# Altium PCB PCB SOM AM625.PcbDoc (part 5 of 6) (continued)
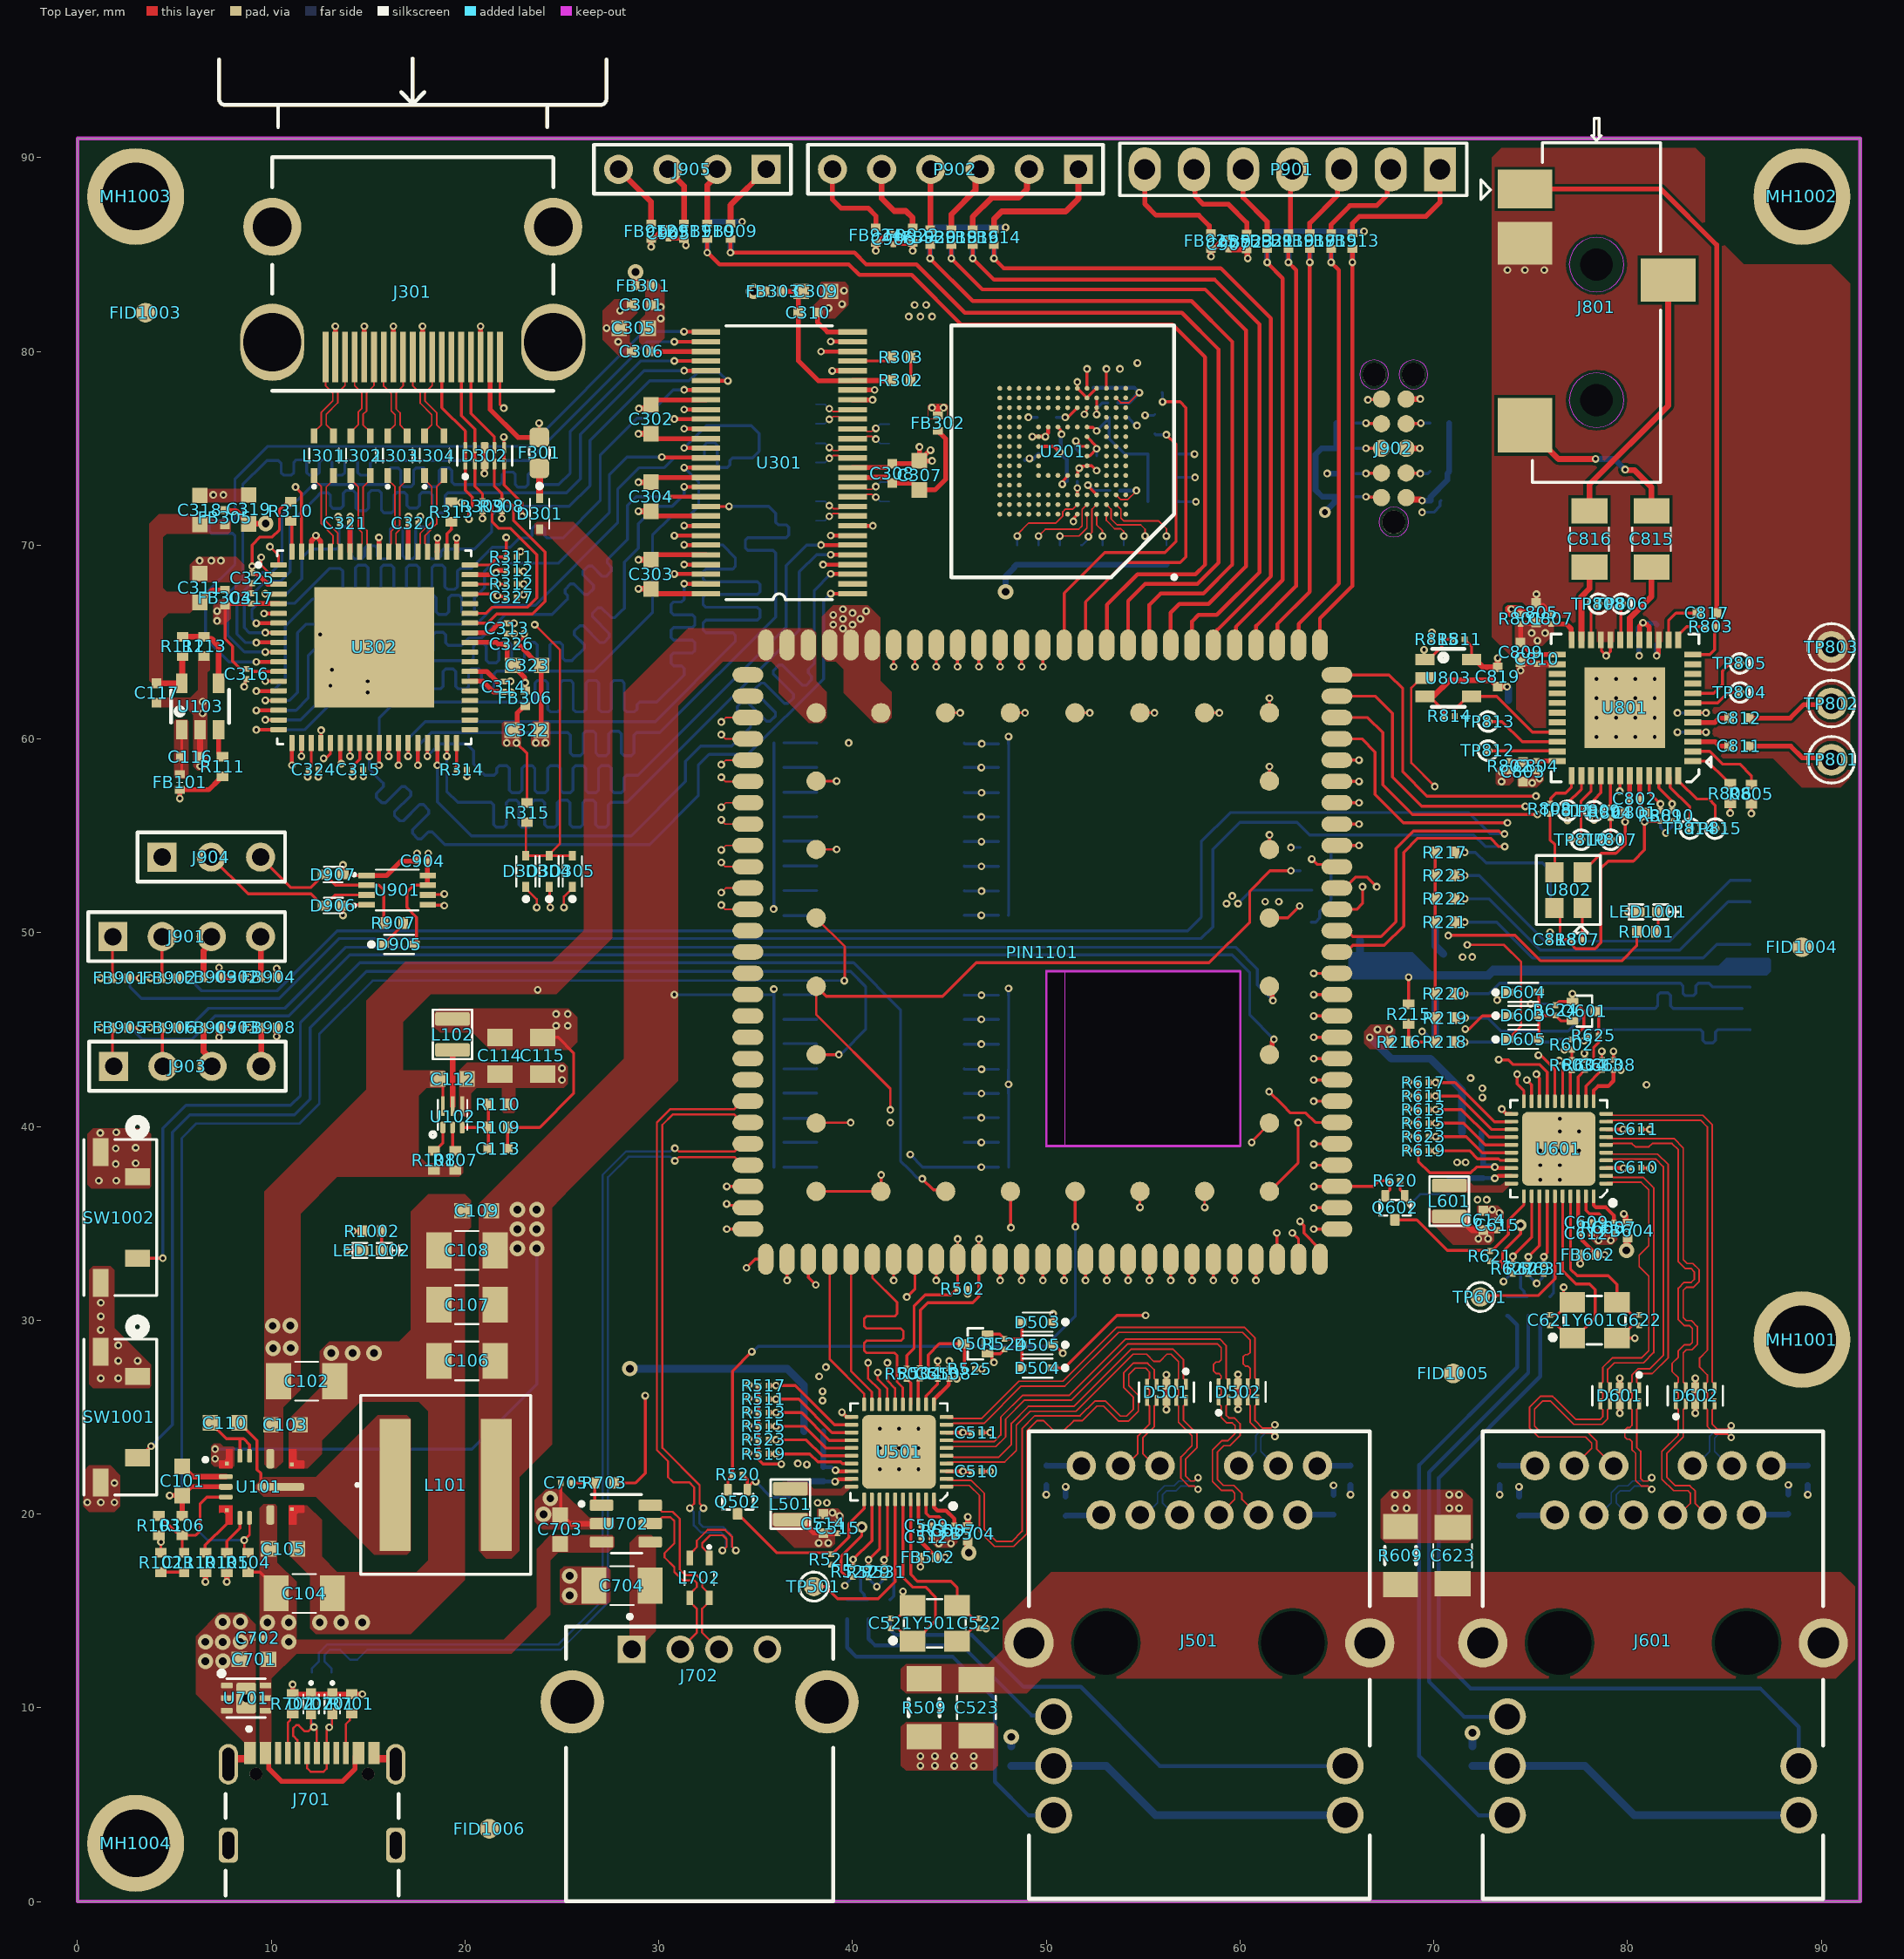
[diagram p0: Top Layer view]
## Nets (pads, with @x,y where several pads share a name; then routed paths per layer and width w, separated by ;. In a path a pad name is that pad's centre, name@x,y a point inside that pad or via, vN(x,y) a via of type N, cw(c..) or ccw(c..) an arc to the next point about the centre after c; other vN are vias at no path point) (continued)
  Top Layer w0.15: R519.2@35.145,23.105 35.145,22.805 35.375,22.575 v1(36.325,22.575) ; R519.2@35.15,23.1 R517.2@35.15,26.625
  Top Layer w0.2: v1(39.124,22.253) 39.178,22.253 39.226,22.205 U501.28@39.695,22.205
  Layer 4 w0.122: v1(36.325,22.575) 36.825,22.075 38.913,22.075 39.091,22.253 v1(39.124,22.253)
  Bottom Layer w0.2: C506.1@38.49,22.425 38.914,22.425 39.086,22.253 v1(39.124,22.253)
  Bottom Layer w0.3: C506.1@38.49,22.425 R501.1@38.49,24.265
PHY2_DVDD3V3: C601.1 C602.1 C620.1 FB601.2 J601.14 J601.16 R621.2 R625.2 R627.2 R629.2 R631.2 U601.29 | length 73.1
  Top Layer w0.15: R621.2@72.9,33.035 73.472,33.035 73.55,33.113 ; v1(73.15,37.325) v1@73.204,37.325 ; v3(74.475,34.9) 74.475,34.45 73.55,33.525 73.55,33.113 ; R631.2@75.68,32.377 75.671,32.386 73.864,32.386 73.55,32.7 73.55,33.113 ; v1(77.75,44.425) 77.75,44.465 R625.2@77.985,44.7
  Top Layer w0.2: v1@73.204,37.325 73.329,37.45 U601.29@74,37.45
  Layer 3 w0.122: v1(73.15,37.325) 73.75,37.325 74.05,37.625 74.05,38.45 75.95,40.35 75.95,41.85 77.35,43.25 78,43.25 78.225,43.475 78.225,43.95 v1(77.75,44.425)
  Layer 3 w0.3: v1(73.15,37.325) 73.169,37.306 73.169,36.679 74.456,35.392 74.456,34.919 v3(74.475,34.9) 74.418,34.843 74.418,34.518 69.9,30 69.9,8.4 71.307,6.993 J601.16@73.8,6.993
  Bottom Layer w0.2: C602.1@72.55,37.34 72.557,37.333 73.142,37.333 v1(73.15,37.325)
  Bottom Layer w0.3: FB601.2@70.825,37.3 70.85,37.275 71.75,37.275 C601.1@71.775,37.25 71.865,37.34 C602.1@72.55,37.34
  Bottom Layer w0.4: C620.1@72,7 72.003,6.997 73.796,6.997 J601.16@73.8,6.993 77.807,6.993 80.347,4.453 J601.14@88.837,4.453
PHY2_VDD1V0: C614.2 C615.1 FB602.2 FB603.1 L601.2 | length 3.3
  Top Layer w0.3: L601.2@70.8,35.35 71.35,35.35 71.55,35.15 71.55,35.078 71.978,34.65 72.45,34.65 C615.1@73.275,34.65 ; v1(77.555,32.92) FB602.2@77.555,33.395
  other v1: 72.3,34.2 72.8,34.2 71.9,42.5
PHY2_VDDIO: C605.1 C606.1 R601.1 R611.2 R613.2 R615.2 R617.2 R619.2 R623.2 U601.28 | length 11.4
  Top Layer w0.15: R617.2@69.205,42.27 69.205,41.575 69.205,40.875 69.205,40.175 69.205,39.475 69.205,38.75 69.205,38.195 69.8,37.6 71.9,37.6 72.208,37.908 v1(73.146,37.908)
  Top Layer w0.2: v1(73.146,37.908) 73.2,37.908 73.258,37.85 U601.28@73.75,37.85
  Bottom Layer w0.2: C606.1@72.545,38.05 72.545,38.045 72.59,38 73,38 73.092,37.908 v1(73.146,37.908)
  Bottom Layer w0.3: R601.1@72.45,39.7 C605.1@72.45,38.725 72.54,38.635 C606.1@72.54,38
PHYRSTB_1: C513.2 Q501.3 R525.1 U501.12 | length 6.5
  Top Layer w0.15: U501.12@43.795,25.655 43.795,26.095 44.388,26.688 44.388,26.968 C513.2@44.395,26.975 44.375,26.995 44.108,26.995 43.9,27.203 43.9,28.2 44.48,28.78 Q501.3@45.725,28.78 45.78,28.725 R525.1@45.78,27.48
PHYRSTB_2: C613.2 Q601.3 R625.1 U601.12 | length 5.3
  Top Layer w0.15: U601.12@77.85,41.3 77.85,42.085 C613.2@78.675,42.91 78.6,42.985 78.512,42.985 78.25,43.247 78.25,44.067 78.508,44.325 78.508,44.693 R625.1@78.515,44.7 Q601.3@78.515,45.945 ; Q601.3@78.39,45.945 Q601.3@78.395,45.95
PMIC_PBn: PIN1101.135 SW1002.2 | length 63.6
  Top Layer w0.15: SW1002.2@3.089,33.2 v1(4.4,33.2) ; v1(43.6,37.3) 44.168,36.732 44.723,36.732 PIN1101.135@44.805,36.65
  Bottom Layer w0.15: v1(4.4,33.2) 4.4,39.9 5.6,41.1 11,41.1 11.5,41.6 11.5,45.375 14.575,48.45 40.05,48.45 42.475,46.025 42.475,38.225 42.914,37.786 43.352,37.348 43.552,37.348 v1(43.6,37.3)
PORz_OUT: D203.2 D304.2 D504.2 D604.2 PIN1101.129 | length 141.9
  Top Layer w0.122: D304.2@24.336,52.37 24.368,52.338 24.368,51.332 v1(24.4,51.3) ; v1(60.6,39.175) 60.6,39.219 61.515,40.135 PIN1101.129@61.515,40.179
  Top Layer w0.15: D504.2@50.345,27.53 50.93,27.53 53.65,30.25 v1(55.125,30.25) ; v1(73.275,46.525) 73.323,46.573 73.397,46.573 73.749,46.925 D604.2@73.825,46.925
  Layer 3 w0.122: v1(41.95,40.2) 43.35,40.2 45.173,38.377 59.802,38.377 v1(60.6,39.175) 62.125,40.7 65.6,40.7 66.2,41.3 66.2,43.275 67.35,44.425 69.725,44.425 71.575,46.275 73.025,46.275 v1(73.275,46.525)
  Layer 4 w0.122: v1(24.4,51.3) 24.4,49.2 32.347,41.253 39.697,41.253 40.75,40.2 v1(41.95,40.2) ; v1(57.65,74.7) 60.5,74.7 66.5,80.7 70.125,80.7 72.1,78.725 72.1,53.85 73.275,52.675 v1(73.275,46.525)
  Layer 4 w0.15: v1(55.125,30.25) 56.05,30.25 57,31.2 57,32.7 57.9,33.6 64.2,33.6 64.7,34.1 64.7,39 64,39.7 61.125,39.7 v1(60.6,39.175)
  Bottom Layer w0.15: D203.2@56.85,74.7 v1(57.65,74.7)
REG_OUT1: L501.1 U501.30
REG_OUT2: L601.1 U601.30
RESETn: C327.1 D303.1 D304.1 D305.1 R315.1 U302.51 | length 21.4
  Top Layer w0.122: R315.1@23.2,55.7 23.136,55.636 D303.1@23.136,53.971 D304.1@24.336,53.971 ; v1(23.6,65.9) 24.9,64.6 24.9,54.611 24.336,54.047 D304.1@24.336,53.971 ; D305.1@25.536,53.971 D304.1@24.336,53.971
  Top Layer w0.15: U302.51@20.245,67.481 21.527,67.481 21.607,67.4 v1(21.675,67.4) ; v1@21.635,67.44 v1(21.675,67.4) ; C327.1@22.135,67.3 22.083,67.352 21.723,67.352 v1(21.675,67.4)
  Layer 3 w0.122: v1(21.675,67.4) 22.1,67.4 v1(23.6,65.9)
RESETSTATz: D201.2 D205.2 D305.2 D505.2 D605.2 PIN1101.112 U803.2 | length 155.1
  Top Layer w0.122: v1(25.1,51.3) 25.1,51.858 25.536,52.294 D305.2@25.536,52.37 ; PIN1101.112@38.121,47.237 38.121,45.779 41.95,41.95 v1(41.95,40.85) ; U803.2@69.55,63.15 69.35,63.15 68.839,62.639 68.839,58.761 v1(70.05,57.55) ; v1(71.725,49.375) 73.625,49.375 74.5,48.5 74.5,45.175 74.018,44.693 74.018,44.617 73.901,44.5 D605.2@73.825,44.5
  Top Layer w0.15: PIN1101.112@38.121,47.237 38.122,47.237 38.634,46.725 44.65,46.725 46.375,48.45 58.4,48.45 60.5,50.55 60.5,52.15 61.55,53.2 v1(62.625,53.2) ; D505.2@50.35,28.725 50.426,28.725 v1(50.85,28.3) v1(50.85,28.3)
  Layer 3 w0.122: v1(70.05,57.55) 70.05,56.3 66.95,53.2 v1(62.625,53.2) 62.625,50.475 63.725,49.375 v1(71.725,49.375)
  Layer 4 w0.122: v1(25.1,51.3) 25.1,49.2 29.248,45.052 36.283,45.052 40.485,40.85 42.85,40.85 43.864,39.836 43.864,37.886 47.05,34.7 47.05,29.575 48.325,28.3 v1(50.85,28.3) ; v1(57.675,73.5) 60.025,73.5 66.7,80.175 69.775,80.175 71.425,78.525 71.425,58.925 v1(70.05,57.55)
  Bottom Layer w0.15: D201.2@56.85,73.5 v1(57.675,73.5) ; v1(62.625,53.2) D205.2@63.1,53.2
RGMII1_TD0: PIN1101.19 U501.18 | length 12.4
  Top Layer w0.122: v1(40.8,27.8) 40.8,27 41.395,26.405 U501.18@41.395,25.655
  Top Layer w0.15: v1(44.321,32.056) PIN1101.19@44.321,33.15
  Layer 4 w0.122: v1(40.8,27.8) 40.8,32.6 41.3,33.1 43.277,33.1 v1(44.321,32.056)
RGMII1_TD1: PIN1101.20 U501.17 | length 12.4
  Top Layer w0.122: v1(41.3,27.3) 41.3,26.953 41.795,26.458 U501.17@41.795,25.655
  Top Layer w0.15: v1(42.8,31.2) 43.221,31.621 PIN1101.20@43.221,33.15
  Layer 4 w0.122: v1(41.3,27.3) 41.3,32.4 41.6,32.7 42.8,32.7 43.1,32.4 43.1,31.575 42.8,31.275 v1(42.8,31.2)
RGMII1_TD2: PIN1101.21 U501.16 | length 12.5
  Top Layer w0.122: v1(41.8,27.8) 41.8,26.885 42.195,26.49 U501.16@42.195,25.655
  Top Layer w0.15: v1(42.121,32.056) PIN1101.21@42.121,33.15
  Layer 4 w0.122: v1(41.8,27.8) 41.8,28.001 41.8,28.692 41.926,28.818 42.998,28.818 43.124,28.944 43.124,29.322 42.998,29.448 41.912,29.448 41.786,29.574 41.786,29.952 41.912,30.078 42.998,30.078 43.124,30.204 43.124,30.582 42.998,30.708 41.926,30.708 41.8,30.834 41.8,31.2 41.8,31.735 v1(42.121,32.056)
RGMII1_TD3: PIN1101.22 U501.15 | length 15
  Top Layer w0.122: PIN1101.22@41.021,33.15 41.021,32.204 42.3,30.925 42.3,30.625 42.3,30.328 42.174,30.202 40.724,30.202 40.598,30.076 40.598,29.698 40.724,29.572 42.492,29.572 42.618,29.446 42.618,29.068 42.492,28.942 40.724,28.942 40.598,28.816 40.598,28.438 40.724,28.312 42.174,28.312 42.3,28.186 42.3,28.125 42.3,26.821 42.595,26.526 U501.15@42.595,25.655
RGMII1_TX_CTL: PIN1101.23 U501.19 | length 7.9
  Top Layer w0.122: PIN1101.23@39.921,33.15 39.921,27.379 40.995,26.305 U501.19@40.995,25.655
RGMII1_TXC: PIN1101.24 U501.20 | length 8.2
  Top Layer w0.122: PIN1101.24@38.821,33.15 38.821,27.979 40.595,26.205 U501.20@40.595,25.655
RGMII2_TD0: PIN1101.5 U601.18 | length 34
  Top Layer w0.15: v1(59.721,32.056) PIN1101.5@59.721,33.15 ; v1(75.3,42.7) 75.3,42.637 75.45,42.487 U601.18@75.45,41.3
  Layer 4 w0.122: v1(59.721,32.056) 59.721,31.354 60.175,30.9 64.425,30.9 67.5,33.975 67.5,42.8 68.575,43.875 72.175,43.875 74.075,45.775 75.375,45.775 75.9,45.25 75.9,43.3 v1(75.3,42.7)
RGMII2_TD1: PIN1101.6 U601.17 | length 34
  Top Layer w0.15: v1(58.621,32.056) PIN1101.6@58.621,33.15 ; v1(73.35,43.45) 73.368,43.432 73.85,43.432 74.082,43.2 75.45,43.2 75.85,42.8 U601.17@75.85,41.3
  Layer 4 w0.122: v1(58.621,32.056) 58.621,31.354 59.55,30.425 65.004,30.425 67.975,33.396 67.975,35.55 67.975,36.297 68.101,36.423 68.493,36.423 68.619,36.549 68.619,36.927 68.493,37.053 68.082,37.053 67.956,37.179 67.956,37.557 68.082,37.683 68.493,37.683 68.619,37.809 68.619,38.187 68.493,38.313 68.101,38.313 67.975,38.439 67.975,38.5 67.975,42.55 68.875,43.45 v1(73.35,43.45)
RGMII2_TD2: PIN1101.7 U601.16 | length 34
  Top Layer w0.15: v1(57.521,32.056) PIN1101.7@57.521,33.15 ; v1(75.4,43.675) 75.448,43.627 75.573,43.627 76.25,42.95 U601.16@76.25,41.3
  Layer 4 w0.122: v1(57.521,32.056) 57.521,31.079 58.6,30 65.725,30 69.325,33.6 69.325,42.325 70,43 73.85,43 74.525,43.675 v1(75.4,43.675)
RGMII2_TD4: PIN1101.8 U601.15 | length 36
  Top Layer w0.15: v1(56.421,32.056) PIN1101.8@56.421,33.15 ; v1(76.475,43.4) 76.475,43.362 76.65,43.187 U601.15@76.65,41.3
  Layer 3 w0.122: v1(56.421,32.056) 57.177,31.3 67.05,31.3 70.675,34.925 70.675,38.645 70.675,39.336 70.801,39.462 71.209,39.462 71.335,39.588 71.335,39.966 71.209,40.092 70.69,40.092 70.564,40.218 70.564,40.596 70.69,40.722 71.209,40.722 71.335,40.848 71.335,41.226 71.209,41.352 70.801,41.352 70.675,41.478 70.675,42.1 70.675,42.625 71.25,43.2 72.425,43.2 73.375,44.15 75.725,44.15 v1(76.475,43.4)
RGMII2_TX_CTL: PIN1101.9 U601.19 | length 30
  Top Layer w0.15: v1(55.321,32.056) PIN1101.9@55.321,33.15 ; v1(74.8,42.4) 75.05,42.15 U601.19@75.05,41.3
  Layer 3 w0.122: v1(55.321,32.056) 56.452,30.925 67.6,30.925 71.175,34.5 71.175,36.975 72.212,38.013 72.212,38.913 73.262,39.963 74.162,39.963 74.8,40.6 v1(74.8,42.4)
RGMII2_TXC: PIN1101.10 U601.20 | length 35.2
  Top Layer w0.15: v1(54.221,32.056) PIN1101.10@54.221,33.15 ; v1(74.3,42.7) 74.3,42.2 74.65,41.85 U601.20@74.65,41.3
  Layer 3 w0.122: v1(54.221,32.056) 55.752,30.525 67.8,30.525 71.65,34.375 71.65,36.725 72.6,37.675 72.6,38.675 73.475,39.55 74.55,39.55 75.325,40.325 75.325,41.775 76,42.45 76,42.825 75.65,43.175 74.775,43.175 v1(74.3,42.7)
RSET1: R505.1 U501.39 | length 2
  Top Layer w0.15: U501.39@43.8,20.75 43.8,20.025 43.975,19.85 44.475,19.85 44.675,19.65 R505.1@44.675,19.39
RSET2: R605.1 U601.39 | length 2
  Top Layer w0.15: U601.39@77.855,36.395 77.855,35.67 78.03,35.495 78.53,35.495 78.73,35.295 R605.1@78.73,35.035
RXC1/PHYAD1: PIN1101.29 R518.2 R519.1 U501.27 | length 28
  Top Layer w0.15: v1(33.5,36) 33.568,36 33.637,35.93 34.476,35.93 PIN1101.29@34.6,35.806 ; R519.1@35.68,23.1 v1(36.05,23.1) 37.793,23.1 38.21,22.683 39.388,22.683 39.466,22.605 U501.27@39.945,22.605
  Layer 4 w0.122: v1(33.5,36) 34.2,36 34.5,36.3 34.5,37.2 34.2,37.5 32.9,37.5 32,36.6 32,32.3 33.9,30.4 33.9,23 34.3,22.6 35.55,22.6 v1(36.05,23.1)
  Bottom Layer w0.15: R518.2@35.68,23.1 v1(36.05,23.1)
RXC2/PHYAD1: PIN1101.15 R618.2 R619.1 U601.27 | length 36.8
  Top Layer w0.15: v1(48.721,32.056) PIN1101.15@48.721,33.15 ; R619.1@69.735,38.745 v1(70.105,38.745) 71.848,38.745 72.26,38.333 73.336,38.333 73.419,38.25 U601.27@74,38.25
  Layer 4 w0.122: v1(48.721,32.056) 48.721,30.154 49.575,29.3 66.25,29.3 70.105,33.155 v1(70.105,38.745)
  Bottom Layer w0.15: R618.2@69.735,38.745 v1(70.105,38.745)
RXCTL1/PHYAD2: PIN1101.30 R522.2 R523.1 U501.26 | length 21.5
  Top Layer w0.15: v1(33.506,36.906) PIN1101.30@34.6,36.906 ; R523.1@35.68,23.825 v1(36.05,23.825) 37.616,23.825 38.441,23 U501.26@39.95,23
  Layer 4 w0.122: v1(33.506,36.906) 32.906,36.906 32.4,36.4 32.4,32.8 35.4,29.8 35.4,24.475 v1(36.05,23.825)
  Bottom Layer w0.15: R522.2@35.68,23.825 v1(36.05,23.825)
RXCTL2/PHYAD2: PIN1101.16 R622.2 R623.1 U601.26 | length 40.3
  Top Layer w0.15: v1(47.621,32.056) PIN1101.16@47.621,33.15 ; R623.1@69.735,39.47 v1(70.105,39.47) 71.671,39.47 72.496,38.645 U601.26@74.005,38.645
  Layer 4 w0.122: v1(47.621,32.056) 47.621,29.704 48.45,28.875 66.725,28.875 70.65,32.8 70.65,38.925 v1(70.105,39.47)
  Bottom Layer w0.15: R622.2@69.735,39.47 v1(70.105,39.47)
RXD10/RXDLY: PIN1101.25 R514.2 R515.1 U501.25 | length 15.7
  Top Layer w0.15: R515.1@35.68,24.525 v1(36.05,24.525) 37.486,24.525 38.611,23.4 U501.25@39.95,23.4 ; PIN1101.25@37.721,33.15 37.721,32.204 v1(38.1,31.825)
  Layer 4 w0.122: v1(36.05,24.525) 37.4,24.525 37.85,24.975 37.85,27.725 38.325,28.2 38.325,31.6 v1(38.1,31.825)
  Bottom Layer w0.15: R514.2@35.68,24.525 v1(36.05,24.525)
RXD11/TXDLY: PIN1101.26 R512.2 R513.1 U501.24 | length 15.7
  Top Layer w0.15: R513.1@35.68,25.225 v1(36.05,25.225) 37.372,25.225 38.797,23.8 U501.24@39.95,23.8 ; v1(36.621,32.056) PIN1101.26@36.621,33.15
  Layer 4 w0.122: v1(36.05,25.225) 36.058,25.233 36.933,25.233 37.375,25.675 37.375,27.975 37.9,28.5 37.9,28.85 37.325,29.425 37.325,29.825 37.85,30.35 37.85,30.7 37.45,31.1 36.925,31.1 36.621,31.404 v1(36.621,32.056)
  Bottom Layer w0.15: R512.2@35.68,25.225 v1(36.05,25.225)
RXD12/PLLOFF: PIN1101.27 R510.2 R511.1 U501.23 | length 15.7
  Top Layer w0.15: v1(34.525,32.7) 34.975,33.15 PIN1101.27@35.521,33.15 ; R511.1@35.68,25.925 v1(36.05,25.925) 37.219,25.925 38.944,24.2 U501.23@39.95,24.2
  Layer 4 w0.122: v1(34.525,32.7) 34.525,32.275 34.812,31.988 35.862,31.988 36.125,31.725 36.125,31.175 36.875,30.425 36.875,29.625 36.425,29.175 36.425,27.875 36.875,27.425 36.875,26.575 36.278,25.978 36.103,25.978 v1(36.05,25.925)
  Bottom Layer w0.15: R510.2@35.68,25.925 v1(36.05,25.925)
RXD13/PHYAD0: PIN1101.28 R516.2 R517.1 U501.22 | length 15.7
  Top Layer w0.15: v1(33.506,34.706) PIN1101.28@34.6,34.706 ; R517.1@35.68,26.625 v1(36.05,26.625) 37.041,26.625 39.066,24.6 U501.22@39.95,24.6
  Layer 4 w0.122: v1(33.506,34.706) 33.506,32.494 36.05,29.95 v1(36.05,26.625)
  Bottom Layer w0.15: R516.2@35.68,26.625 v1(36.05,26.625)
RXD20/RXDLY: PIN1101.11 R614.2 R615.1 U601.25 | length 37.3
  Top Layer w0.15: v1(53.121,32.056) PIN1101.11@53.121,33.15 ; R615.1@69.735,40.17 v1(70.105,40.17) 71.541,40.17 72.666,39.045 U601.25@74.005,39.045
  Layer 3 w0.122: v1(53.121,32.056) 53.74,32.675 61.65,32.675 62.341,32.675 62.467,32.549 62.467,32.026 62.593,31.9 62.971,31.9 63.097,32.026 63.097,32.553 63.223,32.679 63.601,32.679 63.727,32.553 63.727,32.026 63.853,31.9 64.231,31.9 64.357,32.026 64.357,32.553 64.483,32.679 64.861,32.679 64.987,32.553 64.987,32.026 65.113,31.9 65.49,31.9 65.616,32.026 65.616,32.553 65.742,32.679 66.12,32.679 66.246,32.553 66.246,32.026 66.372,31.9 66.75,31.9 66.876,32.026 66.876,32.549 67.002,32.675 67.525,32.675 67.7,32.675 69.15,34.125 69.575,34.55 69.575,34.994 69.701,35.12 69.99,35.12 70.116,35.246 70.116,35.624 69.99,35.75 69.598,35.75 69.472,35.876 69.472,36.254 69.598,36.38 69.99,36.38 70.116,36.506 70.116,36.884 69.99,37.01 69.598,37.01 69.472,37.136 69.472,37.514 69.598,37.64 69.99,37.64 70.116,37.766 70.116,38.144 69.99,38.27 69.701,38.27 69.575,38.396 69.575,38.5 69.575,39.64 v1(70.105,40.17)
  Bottom Layer w0.15: R614.2@69.735,40.17 v1(70.105,40.17)
RXD21/TXDLY: PIN1101.12 R612.2 R613.1 U601.24 | length 37.3
  Top Layer w0.15: v1(52.021,32.056) PIN1101.12@52.021,33.15 ; R613.1@69.735,40.87 v1(70.105,40.87) 71.427,40.87 72.852,39.445 U601.24@74.005,39.445
  Layer 3 w0.122: v1(52.021,32.056) 51.25,31.285 51.25,30.325 51.5,30.075 52.275,30.075 52.55,30.35 52.55,32.585 52.99,33.025 67.375,33.025 69.2,34.85 69.2,37.1 69.2,37.161 69.074,37.287 68.602,37.287 68.476,37.413 68.476,37.791 68.602,37.917 69.074,37.917 69.2,38.043 69.2,38.525 69.2,39.965 v1(70.105,40.87)
  Bottom Layer w0.15: R612.2@69.735,40.87 v1(70.105,40.87)
RXD22/PLLOFF: PIN1101.13 R610.2 R611.1 U601.23 | length 37.3
  Top Layer w0.15: v1(50.921,32.056) PIN1101.13@50.921,33.15 ; R611.1@69.735,41.57 v1(70.105,41.57) 71.274,41.57 72.999,39.845 U601.23@74.005,39.845
  Layer 3 w0.122: v1(50.921,32.056) 50.619,32.056 50.325,32.35 50.325,32.95 50.875,33.5 67.2,33.5 68.1,34.4 68.1,42.4 68.508,42.808 69.116,42.808 69.4,42.524 69.4,41.775 69.605,41.57 v1(70.105,41.57)
  Bottom Layer w0.15: R610.2@69.735,41.57 v1(70.105,41.57)
RXD23/PHYAD0: PIN1101.14 R616.2 R617.1 U601.22 | length 37.3
  Top Layer w0.15: v1(49.821,32.056) PIN1101.14@49.821,33.15 ; R617.1@69.735,42.27 v1(70.105,42.27) 71.096,42.27 73.121,40.245 U601.22@74.005,40.245
  Layer 3 w0.122: v1(49.821,32.056) 49.821,33.071 50.7,33.95 66.9,33.95 67.675,34.725 67.675,42.575 68.325,43.225 69.525,43.225 70.105,42.645 v1(70.105,42.27)
  Bottom Layer w0.15: R616.2@69.735,42.27 v1(70.105,42.27)
SD_PWR_EN: D204.2 PIN1101.87 | length 8
  Top Layer w0.15: PIN1101.87@65,57.806 v1(66.144,57.806)
  Layer 4 w0.122: v1(62.625,54.4) 62.625,56.95 63.481,57.806 v1(66.144,57.806)
  Bottom Layer w0.15: v1(62.625,54.4) D204.2@63.1,54.4
SHTDN_OLDI: R303.1 U301.25 | length 2.1
  Top Layer w0.15: U301.25@40,79.512 41.825,79.512 42,79.687 R303.1@42,79.7
  Top Layer w0.2: U301.25@40,79.512 U301.25@40.006,79.506
SoC_EMU0: J902.7 PIN1101.119 R905.1 | length 31
  Top Layer w0.15: PIN1101.119@48.147,61.353 48.149,61.352 48.898,61.352 v1(48.9,61.35) ; v1(66.5,76.3) 66.515,76.285 67.285,76.285 J902.7@67.3,76.27
  Layer 4 w0.122: v1(48.9,61.35) 50.625,61.35 51.575,62.3 57,62.3 59.125,64.425 63.425,64.425 66,67 66,75.8 v1(66.5,76.3)
  Bottom Layer w0.15: R905.1@65.97,76.3 v1(66.5,76.3)
SoC_EMU1: J902.10 PIN1101.120 R904.1 | length 24.2
  Top Layer w0.15: PIN1101.120@51.489,61.353 51.491,61.352 52.24,61.352 v1(52.242,61.35) ; v1(66.5,72.5) 66.52,72.48 67.28,72.48 J902.10@67.3,72.46
  Layer 4 w0.122: v1(52.242,61.35) 52.796,61.904 57.304,61.904 59.4,64 63.5,64 66.5,67 v1(66.5,72.5)
  Bottom Layer w0.15: R904.1@65.97,72.5 v1(66.5,72.5)
SOC_MMC0_CLK: PIN1101.69 R211.1 | length 15.9
  Top Layer w0.15: PIN1101.69@50.921,64.85 50.921,67.521 53.025,69.625 56.125,69.625 56.7,70.2 56.7,75.2 v1(56.2,75.7)
  Bottom Layer w0.15: R211.1@55.6,75.75 55.65,75.7 v1(56.2,75.7)
SOC_MMC0_CMD: PIN1101.70 R209.1 U201.M5 | length 22.6
  Top Layer w0.1: v1(51.969,76.753) 51.969,76.834 52.071,76.936 52.071,77.071 U201.M5@52.1,77.1
  Top Layer w0.15: PIN1101.70@52.021,64.85 52.021,67.071 54.05,69.1 56.9,69.1 57.2,69.4 57.2,77.1 56.9,77.4 v1(56,77.4)
  Layer 4 w0.122: v1(51.969,76.753) 52.616,77.4 v1(56,77.4)
  Bottom Layer w0.15: R209.1@55.975,77.875 56,77.85 v1(56,77.4)
SOC_MMC0_DAT0: PIN1101.68 R208.1 U201.A3 | length 22.6
  Top Layer w0.08: U201.A3@53.1,71.6 53.1,71.275 53.525,70.85 53.85,70.85 54,70.7 v1(54,70.475)
  Top Layer w0.15: v1(49.821,63.729) PIN1101.68@49.821,64.85 ; v1@53.987,70.462 v1(54,70.475)
  Layer 4 w0.122: v1(49.821,63.729) 51.894,63.729 51.955,63.729 52.081,63.855 52.081,64.66 52.207,64.786 52.585,64.786 52.711,64.66 52.711,63.84 52.837,63.714 53.214,63.714 53.34,63.84 53.34,64.66 53.466,64.786 53.844,64.786 53.97,64.66 53.97,63.855 54.096,63.729 54.292,63.729 54.529,63.729 56.7,65.9 56.7,70.7 56.4,71 54.525,71 v1(54,70.475)
  Bottom Layer w0.107: R208.1@54,70 v1(54,70.475)
SOC_MMC0_DAT1: PIN1101.67 R207.1 U201.A4 | length 22.6
  Top Layer w0.08: U201.A4@52.6,71.6 52.6,71.05 52.9,70.75 v1(52.9,70.475)
  Top Layer w0.15: v1(48.721,63.729) PIN1101.67@48.721,64.85
  Layer 4 w0.122: v1(48.721,63.729) 49.25,63.2 54.8,63.2 57.1,65.5 57.1,70.9 56.6,71.4 53.825,71.4 v1(52.9,70.475)
  Bottom Layer w0.107: R207.1@52.9,70 v1(52.9,70.475)
SOC_MMC0_DAT2: PIN1101.66 R206.1 U201.A5 | length 22.6
  Top Layer w0.08: v1(50.7,70.475) 51.7,70.475 52.1,70.875 U201.A5@52.1,71.6
  Top Layer w0.15: v1(47.621,63.729) PIN1101.66@47.621,64.85
  Layer 4 w0.122: v1(47.621,63.729) 47.621,63.221 47.125,62.725 45.375,62.725 44.875,63.225 44.875,68.15 45.95,69.225 52.05,69.225 52.275,69.45 52.275,69.7 51.9,70.075 51.1,70.075 v1(50.7,70.475)
  Bottom Layer w0.107: R206.1@50.7,70 v1(50.7,70.475)
SOC_MMC0_DAT3: PIN1101.65 R205.1 U201.B2 | length 22.6
  Top Layer w0.08: U201.B2@53.6,72.1 53.85,71.85 53.85,71.4 54,71.25 55.8,71.25 56.2,70.85 v1(56.2,70.475)
  Top Layer w0.15: v1(46.521,63.729) PIN1101.65@46.521,64.85
  Layer 4 w0.122: v1(46.521,63.729) 46.521,67.521 47.3,68.3 48.236,68.3 48.927,68.3 49.053,68.174 49.053,67.283 49.179,67.157 49.557,67.157 49.683,67.283 49.683,68.174 49.809,68.3 50.329,68.3 54.95,68.3 56.2,69.55 v1(56.2,70.475)
  Bottom Layer w0.107: R205.1@56.2,70 v1(56.2,70.475)
SOC_MMC0_DAT4: PIN1101.64 R204.1 U201.B3 | length 22.6
  Top Layer w0.08: U201.B3@53.1,72.1 53.345,71.855 53.345,71.355 53.65,71.05 54.875,71.05 55.1,70.825 v1(55.1,70.475)
  Top Layer w0.15: v1(45.421,63.729) PIN1101.64@45.421,64.85
  Layer 4 w0.122: v1(45.421,63.729) 45.421,64.577 45.421,65.267 45.547,65.393 46.011,65.393 46.137,65.519 46.137,65.897 46.011,66.023 45.427,66.023 45.301,66.149 45.301,66.527 45.427,66.653 46.011,66.653 46.137,66.779 46.137,67.157 46.011,67.283 45.547,67.283 45.421,67.409 45.421,67.506 45.421,67.771 46.425,68.775 54.175,68.775 55.1,69.7 v1(55.1,70.475)
  Bottom Layer w0.107: R204.1@55.1,70 v1(55.1,70.475)
SOC_MMC0_DAT5: PIN1101.63 R203.1 U201.B4 | length 22.6
  Top Layer w0.08: v1(52.175,70.45) 52.175,70.476 52.355,70.656 52.355,71.855 U201.B4@52.6,72.1
  Top Layer w0.15: v1(44.321,63.729) PIN1101.63@44.321,64.85
  Layer 4 w0.122: v1(44.321,63.729) 44.321,62.954 44.65,62.625 44.65,62.35 44.35,62.05 44.05,62.05 43.75,62.35 43.75,68.375 45,69.625 49.625,69.625 50.125,70.125 50.125,70.875 50.4,71.15 50.85,71.15 51.55,70.45 v1(52.175,70.45)
  Bottom Layer w0.107: R203.1@51.8,70 51.85,70 52.119,70.269 52.119,70.394 v1(52.175,70.45)
SOC_MMC0_DAT6: PIN1101.62 R202.1 U201.B5 | length 22.6
  Top Layer w0.08: v1(49.6,70.475) 49.95,70.825 51.675,70.825 51.845,70.995 51.845,71.845 U201.B5@52.1,72.1
  Top Layer w0.15: v1(43.221,63.729) PIN1101.62@43.221,64.85
  Layer 4 w0.122: v1(43.221,63.729) 43.221,64.176 43.221,64.237 43.095,64.363 42.729,64.363 42.603,64.489 42.603,64.867 42.729,64.993 43.255,64.993 43.381,65.119 43.381,65.497 43.255,65.623 42.729,65.623 42.603,65.749 42.603,66.127 42.729,66.253 43.255,66.253 43.381,66.379 43.381,66.757 43.255,66.883 42.729,66.883 42.603,67.008 42.603,67.386 42.729,67.512 43.255,67.512 43.381,67.638 43.381,68.016 43.255,68.142 42.729,68.142 42.603,68.268 42.603,68.646 42.729,68.772 43.095,68.772 43.221,68.898 43.221,69.269 43.221,69.546 43.722,70.047 49.172,70.047 v1(49.6,70.475)
  Bottom Layer w0.107: R202.1@49.6,70 v1(49.6,70.475)
SOC_MMC0_DAT7: PIN1101.61 R201.1 U201.B6 | length 22.6
  Top Layer w0.08: v1(48.5,70.475) 48.5,70.55 49.093,71.143 50.49,71.143 50.852,71.506 50.852,71.727 50.98,71.855 51.355,71.855 U201.B6@51.6,72.1
  Top Layer w0.15: v1(42.121,63.729) PIN1101.61@42.121,64.85
  Layer 4 w0.122: v1(42.121,63.729) 42.121,64.802 42.121,64.863 41.995,64.989 41.653,64.989 41.527,65.115 41.527,65.493 41.653,65.619 42.099,65.619 42.225,65.745 42.225,66.123 42.099,66.249 41.653,66.249 41.527,66.375 41.527,66.753 41.653,66.879 42.099,66.879 42.225,67.005 42.225,67.383 42.099,67.509 41.653,67.509 41.527,67.635 41.527,68.013 41.653,68.139 42.099,68.139 42.225,68.265 42.225,68.643 42.099,68.769 41.653,68.769 41.527,68.895 41.527,69.273 41.653,69.399 41.995,69.399 42.121,69.525 42.121,69.863 42.121,69.971 42.625,70.475 v1(48.5,70.475)
  Bottom Layer w0.107: R201.1@48.5,70 v1(48.5,70.475)
SoC_TCK: J902.4 PIN1101.125 R901.1 | length 29
  Top Layer w0.15: PIN1101.125@61.515,54.295 PIN1101.125@61.515,54.295 61.517,55.046 v1(61.518,55.048) ; J902.4@68.57,76.27 68.585,76.285 69.185,76.285 v1@69.2,76.3
  Layer 4 w0.122: v1(61.518,55.048) 61.518,57.118 62.175,57.775 62.175,61.475 62.8,62.1 64.4,62.1 70.8,68.5 70.8,75.625 70.125,76.3 v1(69.33,76.3)
  Bottom Layer w0.15: v1(69.33,76.3) R901.1@69.8,76.3
SoC_TDI: J902.8 PIN1101.124 R903.1 | length 27.2
  Top Layer w0.15: PIN1101.124@61.515,57.824 61.517,57.826 61.517,58.575 v1(61.518,58.577) ; v1(66.5,75) J902.8@67.3,75
  Layer 4 w0.122: v1(61.518,58.577) 60.675,59.42 60.675,62.275 61.3,62.9 64,62.9 70.05,68.95 70.05,73.825 69.525,74.35 67.15,74.35 v1(66.5,75)
  Bottom Layer w0.15: R903.1@65.97,75 v1(66.5,75)
SoC_TDO: J902.6 PIN1101.123 | length 24.1
  Top Layer w0.15: PIN1101.123@61.515,61.353 PIN1101.123@61.515,61.353 61.517,62.104 v1(61.518,62.106) ; v1(66.6,77.5) 66.62,77.52 67.28,77.52 J902.6@67.3,77.54
  Layer 4 w0.122: v1(61.518,62.106) 61.912,62.5 64.2,62.5 70.45,68.75 70.45,74.6 69.575,75.475 68.625,75.475 v1(66.6,77.5)
SoC_TMS: J902.2 PIN1101.122 R902.1 | length 21
  Top Layer w0.15: PIN1101.122@58.173,61.353 58.175,61.352 58.924,61.352 v1(58.926,61.35) ; J902.2@68.57,73.73 68.585,73.715 69.285,73.715 v1(69.3,73.7)
  Layer 4 w0.122: v1(58.926,61.35) 58.926,62.226 60,63.3 63.9,63.3 68.925,68.325 68.925,73.284 69.3,73.659 v1(69.3,73.7)
  Bottom Layer w0.15: v1(69.3,73.7) 69.7,73.7 R902.1@69.8,73.8
SoC_TRST#: J902.9 PIN1101.121 R906.2 | length 22.7
  Top Layer w0.15: PIN1101.121@54.831,61.353 54.833,61.352 55.582,61.352 v1(55.584,61.35) ; v1(66.5,73.7) 66.515,73.715 67.285,73.715 J902.9@67.3,73.73
  Layer 4 w0.122: v1(55.584,61.35) 57.35,61.35 59.675,63.675 63.675,63.675 66.95,66.95 66.95,73.25 v1(66.5,73.7)
  Bottom Layer w0.15: R906.2@65.97,73.7 v1(66.5,73.7)
SWING: R313.1 U302.56 | length 1.6
  Top Layer w0.15: U302.56@19.06,69.666 19.06,70.591 19.286,70.816 R313.1@19.286,71.216
TCT1_0: C516.1 J501.12 | length 1.8
  Bottom Layer w0.3: C516.1@50,22.5 50.006,22.494 51.797,22.494 J501.12@51.804,22.487
TCT1_1: C517.1 J501.6 | length 1.8
  Bottom Layer w0.3: C517.1@51,19.9 51.023,19.924 52.796,19.924 J501.6@52.82,19.947
TCT1_2: C518.1 J501.1 | length 1.9
  Bottom Layer w0.3: J501.1@62.98,19.947 62.994,19.961 64.811,19.961 C518.1@64.825,19.975
TCT1_3: C519.1 J501.7 | length 1.7
  Bottom Layer w0.3: J501.7@63.996,22.487 64.002,22.494 65.693,22.494 C519.1@65.7,22.5
TCT2_0: C616.1 J601.12 | length 1.8
  Bottom Layer w0.3: C616.1@73.4,22.5 73.406,22.494 75.216,22.494 J601.12@75.222,22.487